# Altium PCB Archimajor.PcbDoc (part 2 of 13)
Units mil, origin at the board's own origin, x right, y up, seen from the top; angles counter-clockwise.
Board outline 7480.32 x 5511.81 mil, 6 copper layers (Top Layer, Top GND, Power Plane, Mid1, Bot GND, Bottom Layer), stack 69.913 mil thick; 1038 components, 682 nets, 3229 pads, 2870 vias.
Unrouted connection lines stored in the file: 97.
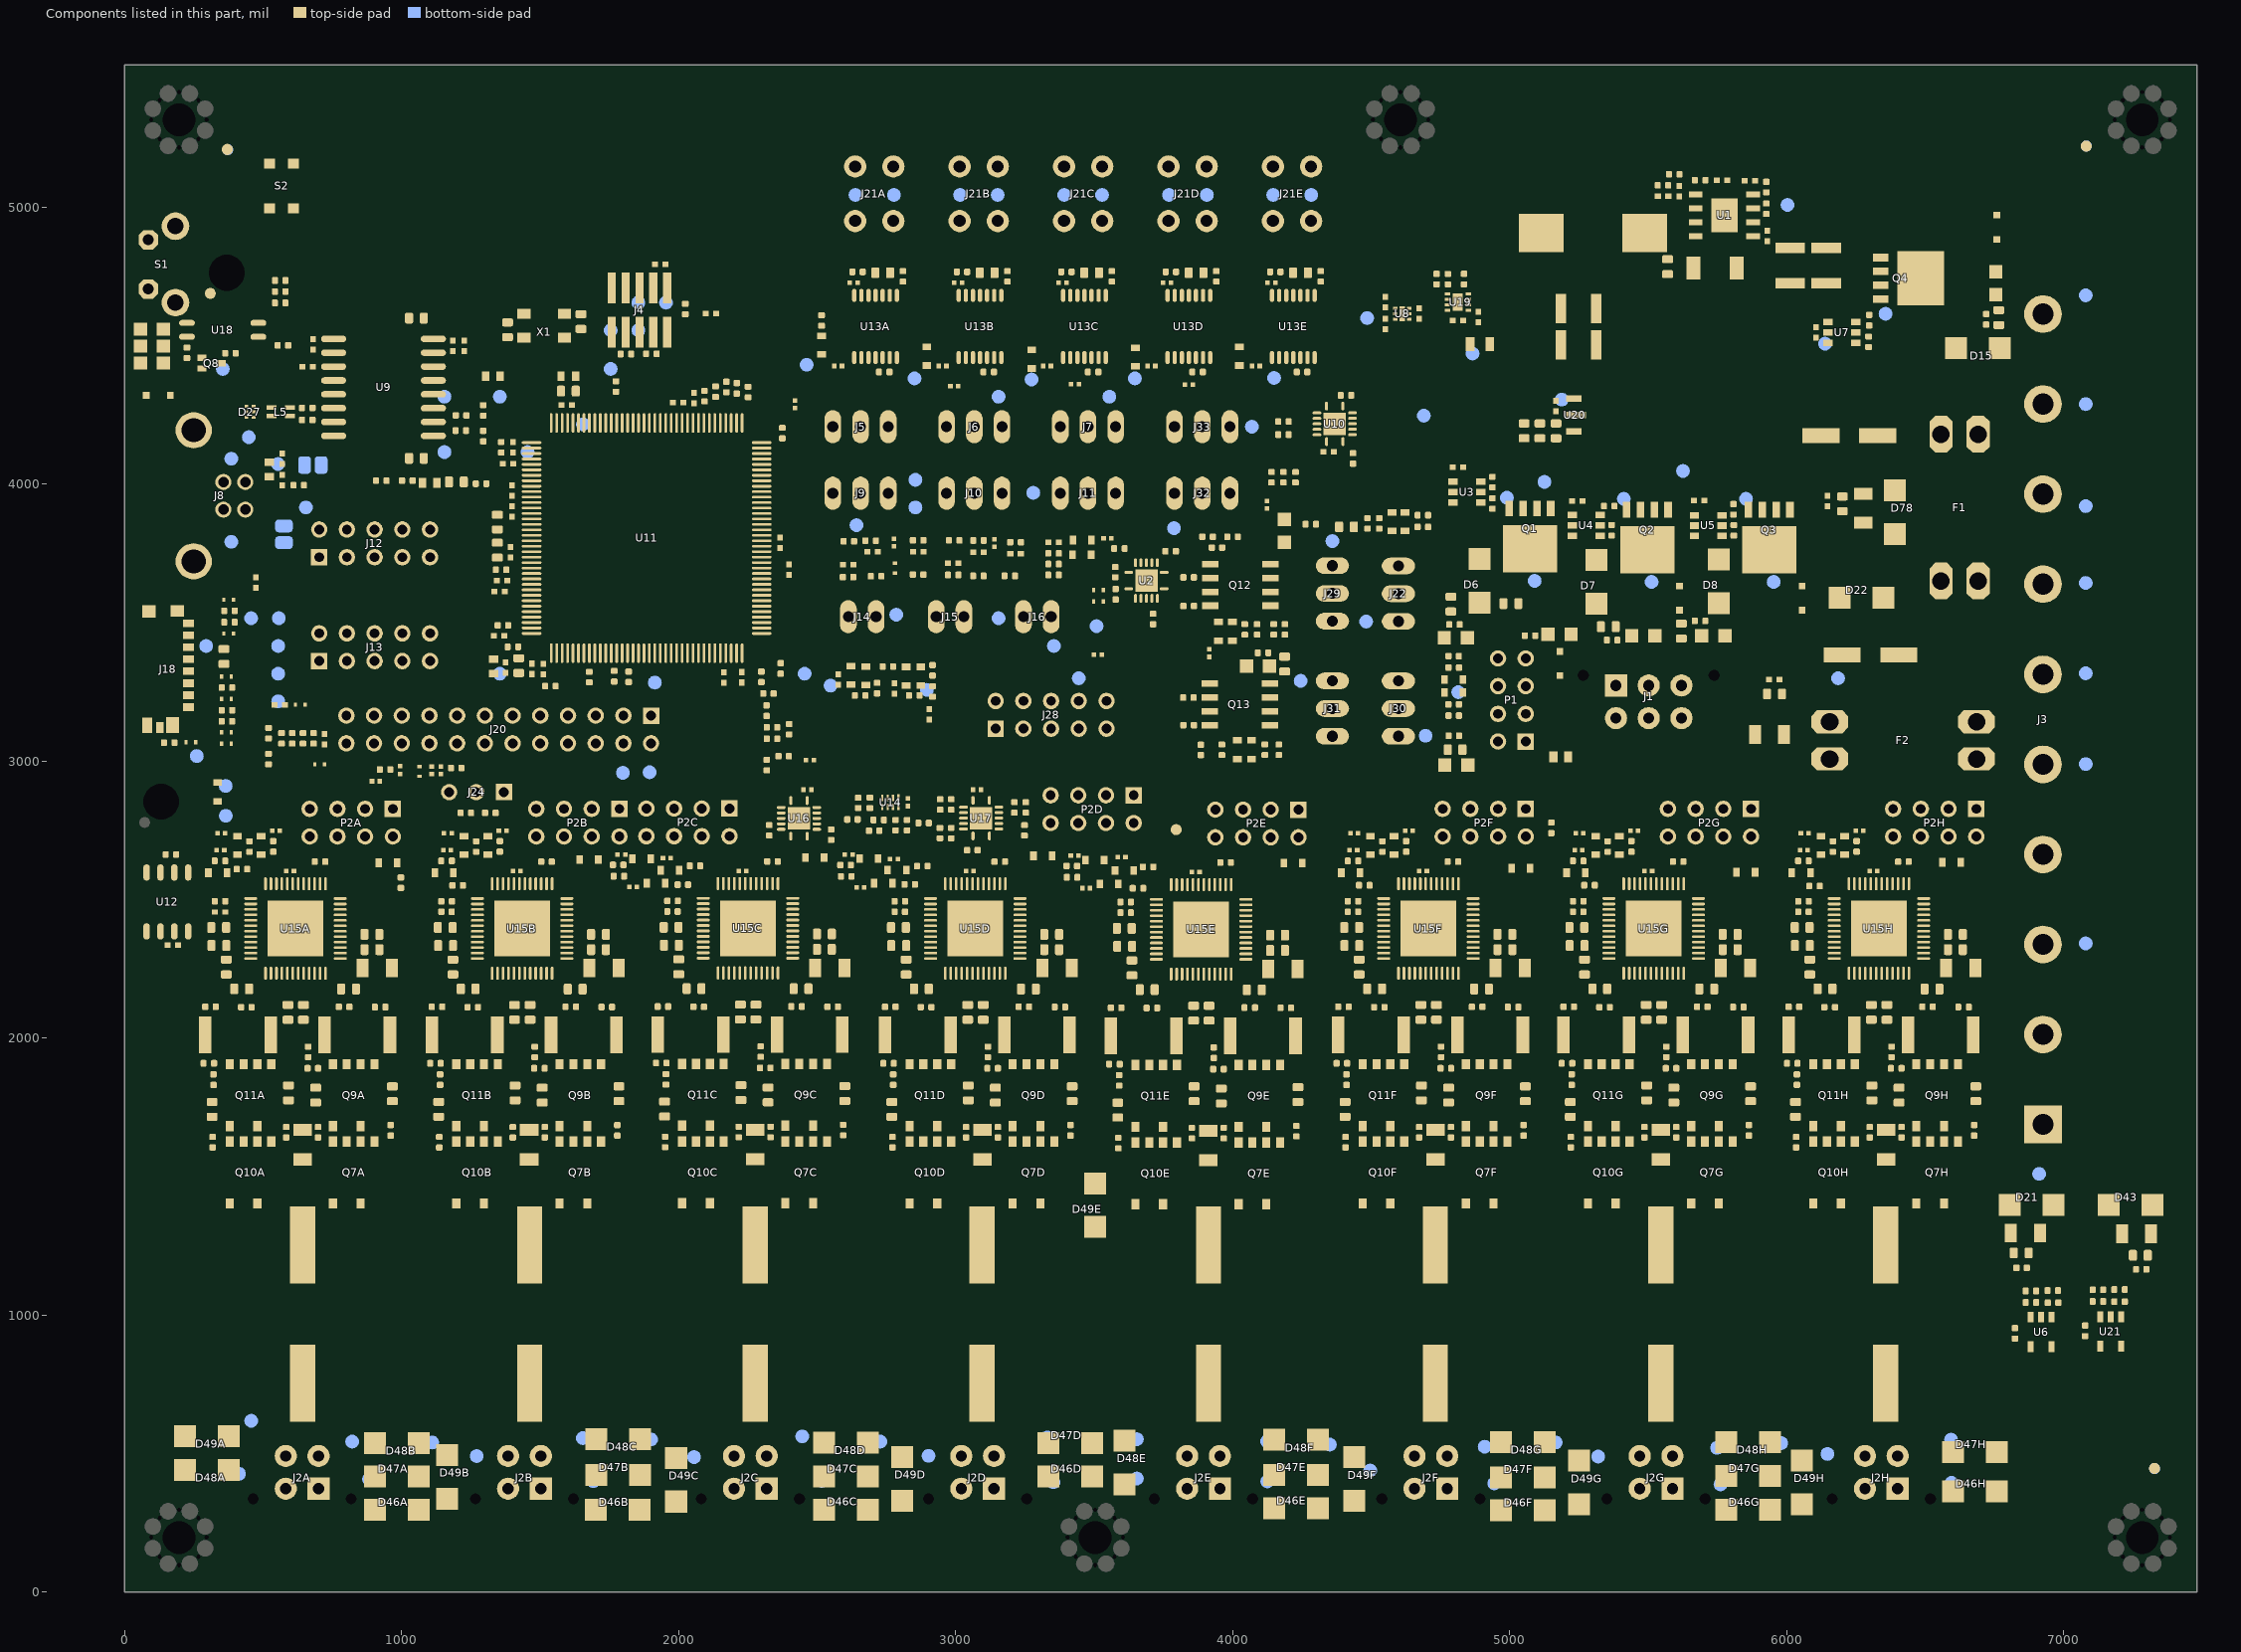
[diagram p6: the components of this part, seen from the top]

## Components (designator, comment, footprint, x,y, rotation, side; value= is the part's Value field where it differs from the comment) (continued)
Q11D "NVMFD5C478NT1G" "SO8FL-Dual (DFN8 5x6, 1.26P Dual Flag)" 2908.76,1793.72 r180 top (schematic designator Q11)
Q11E "NVMFD5C478NT1G" "SO8FL-Dual (DFN8 5x6, 1.26P Dual Flag)" 3724.03,1790.74 r180 top (schematic designator Q11)
Q11F "NVMFD5C478NT1G" "SO8FL-Dual (DFN8 5x6, 1.26P Dual Flag)" 4544.58,1793.72 r180 top (schematic designator Q11)
Q11G "NVMFD5C478NT1G" "SO8FL-Dual (DFN8 5x6, 1.26P Dual Flag)" 5357.58,1793.72 r180 top (schematic designator Q11)
Q11H "NVMFD5C478NT1G" "SO8FL-Dual (DFN8 5x6, 1.26P Dual Flag)" 6170.58,1793.72 r180 top (schematic designator Q11)
Q12 "NCV8402AD" NCV8402AD-SOIC8 4028.06,3635.29 r270 top value=NCV8402
Q13 "NCV8402AD" NCV8402AD-SOIC8 4025.59,3204.13 r270 top value=NCV8402
R1 "10.2k" R0402 5687.65,5096.38 r180 top
R2 "1.4K" R0402 5926.35,5071.71 r270 top
R3 "47R" R0402 2690.66,2848.79 r90 top
R4 "47R" R0402 2722.36,2786.79 r0 top
R5 "1.96k" R0402 5594.14,5118.03 r0 top
R6 "10K" R0402 5073.54,3452.14 r180 top
R7 "10K" R0402 5369.8,3436.39 r180 top
R8 "10K" R0402 5687.19,3505.29 r180 top
R9 "10K" R0402 6720.19,4594.42 r270 top
R10 "37.4k" R0402 5553.35,5077.71 r0 top
R11 "10K" R0402 5926.35,4993.71 r270 top
R12 "10K" R0402 4800.9,3492.5 r0 top
R13 "47R" R0402 2783.18,2768.09 r90 top
R14 "10K" R0402 4798.73,3090.92 r180 top
R15 "10K" R0402 4109.96,3390.13 r0 top
R16A "4.7k" R0402 344.68,2639.19 r180 top (schematic designator R16)
R16B "4.7k" R0402 1162.6,2639.19 r0 top (schematic designator R16)
R16C "4.7k" R0402 1784.76,2583.96 r180 top (schematic designator R16)
R16D "4.7k" R0402 2605.31,2583 r180 top (schematic designator R16)
R16E "4.7k" R0402 3420.59,2580.03 r180 top (schematic designator R16)
R16F "4.7k" R0402 4434.25,2639.19 r0 top (schematic designator R16)
R16G "4.7k" R0402 5247.25,2639.19 r0 top (schematic designator R16)
R16H "4.7k" R0402 6060.25,2639.19 r0 top (schematic designator R16)
R17A "R0402TBD" R0402 536.91,2691.53 r270 top (schematic designator R17)
R17B "R0402TBD" R0402 1354.82,2691.53 r270 top (schematic designator R17)
R17C "R0402TBD" R0402 1782.2,2624.78 r0 top (schematic designator R17)
R17D "R0402TBD" R0402 2602.76,2623.82 r0 top (schematic designator R17)
R17E "R0402TBD" R0402 3419.39,2620.84 r0 top (schematic designator R17)
R17F "R0402TBD" R0402 4626.47,2691.53 r270 top (schematic designator R17)
R17G "R0402TBD" R0402 5439.47,2691.53 r270 top (schematic designator R17)
R17H "R0402TBD" R0402 6252.47,2691.53 r270 top (schematic designator R17)
R18A "4.7k" R0402 451.28,2690.96 r90 top (schematic designator R18)
R18B "4.7k" R0402 1269.19,2690.96 r90 top (schematic designator R18)
R18C "4.7k" R0402 2059.37,2621.43 r180 top (schematic designator R18)
R18D "4.7k" R0402 2879.92,2620.47 r180 top (schematic designator R18)
R18E "4.7k" R0402 3695.19,2617.5 r180 top (schematic designator R18)
R18F "4.7k" R0402 4540.84,2690.96 r90 top (schematic designator R18)
R18G "4.7k" R0402 5353.84,2690.96 r90 top (schematic designator R18)
R18H "4.7k" R0402 6166.84,2690.96 r90 top (schematic designator R18)
R19 "1k" R0402 2614.88,3792.69 r0 top
R20 "100R" R0402 5368.1,3832.43 r90 top
R21 "100R" R0402 5809.11,3832.5 r90 top
R22 "100K" R0402 2611.75,3663.55 r0 top
R23 "1k" R0402 2713.3,3666.71 r0 top
R24 "10r" R0402 5808.11,3908.5 r270 top value=10R
R25 "100R" R0402 6295.48,4512.97 r90 top
R26 "24K" R0402 6881.7,1086.61 r0 top
R27 "10r" R0402 6297.48,4590.97 r270 top value=10R
R28 "1M" R0402 6823.98,933.73 r90 top
R29 "10K" R0402 4409.05,4319.79 r0 top
R30 "10K" R0402 4183.49,4225.23 r0 top
R31 "100K" R0402 2024.52,4631.44 r90 top
R32 "47R" R0402 2824.52,2768.09 r90 top
R33 "1K" R0402 562.33,4734.43 r0 top value=1k
R34 "1K" R0402 562.16,4694.53 r180 top value=1k
R35 "100K" R0402 2693.48,3795.12 r0 top
R36 "1K" R0402 562.14,4653.47 r180 top value=1k
R37 "100K" R0402 1810,4468.9 r0 top
R38 "100K" R0402 1902,4469.9 r180 top
R39 "10K" R0402 4183.49,4177.98 r0 top
R40 "1k" R0402 2094,4317.01 r270 top
R41 "1k" R0402 1774.09,4351.43 r90 top
R42 "24r" R0402 1295,4265.53 r270 top value=24R
R43 "24r" R0402 660,4274.53 r180 top value=24R
R44 "2k37" R0402 2655.52,3236.23 r0 top
R45 "24r" R0402 1215,4247.53 r180 top value=24R
R46 "24r" R0402 660,4230.53 r180 top value=24R
R47 "24r" R0402 1214,4192.53 r180 top value=24R
R48 "24r" R0402 1295,4172.53 r90 top value=24R
R49 "6.8K" R0402 1360,4132.53 r270 top
R50 "2k37" R0402 2716.52,3262.65 r90 top
R51 "100K" R0402 1287,4000.53 r0 top
R52 "10R" R0402 4937.69,4006.89 r270 top
R53 "100R" R0402 4937.69,3929.13 r90 top
R54 "10K" R0402 4434.76,4091.9 r90 top
R55 "10R" R0402 5359.56,3919.83 r0 top
R56 "10K" R0402 6881.66,1045.19 r180 top
R57 "130k" R0402 6960.48,1088.17 r180 top
R58 "100K" R0402 6961.38,1044.2 r0 top
R59 "47R" R0402 2984.25,2739.37 r270 top
R60 "R0402TBD" R0402 2337.32,3121.43 r180 top
R61 "R0402TBD" R0402TBD 629.28,3995.28 r180 top value=1M
R62 "4.7K" R0402 2755.62,3340.92 r0 top value=4.7k
R63 "100K" R0402 2864.89,3796.41 r0 top
R64 "10K" R0402 161.69,3066.19 r180 top
R65 "10K" R0402 370.01,3265.01 r180 top
R66 "10K" R0402 2337.32,3080.09 r180 top
R67 "10K" R0402 370,3183.01 r0 top
R68 "10K" R0402 370,3143.01 r0 top
R69 "10K" R0402 379,3542.01 r180 top
R70 "10K" R0402 379,3501.01 r180 top
R71 "1k" R0402 1402.05,3411.66 r180 top
R72 "1k" R0402 2864.76,3672.67 r0 top
R73 "100K" R0402 2994.95,3796.12 r180 top
R74 "1k" R0402 2991.42,3671.5 r180 top
R75 "100K" R0402 3082.74,3795.75 r0 top
R76 "1k" R0402 3082.36,3667.98 r0 top
R77 "24r" R0402 2368.81,3334.03 r90 top value=24R
R78 "100K" R0402 3216.52,3789.69 r0 top
R79 "1k" R0402 3195.42,3668.01 r0 top
R80 "4.7K" R0402 2916.61,3327.02 r90 top value=4.7k
R81 "2k37" R0402 2850.67,3236.47 r0 top
R82 "24r" R0402 2298.93,3303.52 r90 top value=24R
R83 "24r" R0402 2317.63,3181.47 r90 top value=24R
R84 "47R" R0402 2984.25,2842.91 r270 top
R85 "10K" R0402 167.58,2662.21 r0 top
R86A "47R" R0402 705.71,2636.22 r180 top (schematic designator R86)
R86B "47R" R0402 1523.62,2636.22 r180 top (schematic designator R86)
R86C "47R" R0402 2338.89,2637.18 r180 top (schematic designator R86)
R86D "47R" R0402 3159.45,2636.22 r180 top (schematic designator R86)
R86E "47R" R0402 3974.72,2633.24 r180 top (schematic designator R86)
R86F "47R" R0402 4795.28,2636.22 r180 top (schematic designator R86)
R86G "47R" R0402 5608.28,2636.22 r180 top (schematic designator R86)
R86H "47R" R0402 6421.28,2636.22 r180 top (schematic designator R86)
R87 "2k37" R0402 2916.83,3250.39 r90 top
R88A "47R" R0402 2742.41,4403.91 r0 top (schematic designator R88)
R88B "47R" R0402 3119.41,4403.91 r0 top (schematic designator R88)
R88C "47R" R0402 3496.41,4403.91 r0 top (schematic designator R88)
R88D "47R" R0402 3873.41,4403.91 r0 top (schematic designator R88)
R88E "47R" R0402 4250.4,4403.91 r0 top (schematic designator R88)
R89 "47R" R0402 3060.48,2677.81 r180 top
R90 "4.7K" R0402 3353.42,3710.87 r180 top value=4.7k
R91 "2k37" R0402 3353.62,3749.26 r0 top
R92 "2k37" R0402 3353.62,3671.5 r180 top
R93 "47R" R0402 3212.32,2832.06 r270 top
R94 "47R" R0402 2318.62,2985.41 r270 top
R95 "10K" R0402 2516.33,4589.94 r270 top
R96 "10K" R0402 4282.2,3854.7 r0 top
R97 "10K" R0402 5150.31,2758.24 r270 top
R98 "100R" R0402 3841.25,3662.77 r0 top
R99 "100R" R0402 3841.25,3559.42 r0 top
R100 "10K" R0402 997.75,2560.41 r90 top
R101 "10K" R0402 3577.75,3601.62 r90 top
R102 "1k" R0402 4835.47,4739.51 r90 top
R103 "0R" R0603 5184.76,3015.13 r180 top
R107A "2.2R" R0402 345,2493.53 r180 top (schematic designator R107)
R107B "2.2R" R0402 1162.91,2493.53 r180 top (schematic designator R107)
R107C "2.2R" R0402 1978.18,2494.49 r180 top (schematic designator R107)
R107D "2.2R" R0402 2798.74,2493.53 r180 top (schematic designator R107)
R107E "2.2R" R0402 3614.01,2490.55 r180 top (schematic designator R107)
R107F "2.2R" R0402 4434.57,2493.53 r180 top (schematic designator R107)
R107G "2.2R" R0402 5247.57,2493.53 r180 top (schematic designator R107)
R107H "2.2R" R0402 6060.57,2493.53 r180 top (schematic designator R107)
R108A "1k" R0402 424.13,2609.29 r180 top (schematic designator R108)
R108B "1k" R0402 1202.68,2550.24 r180 top (schematic designator R108)
R108C "1k" R0402 2015.67,2553.19 r180 top (schematic designator R108)
R108D "1k" R0402 2834.57,2554.17 r180 top (schematic designator R108)
R108E "1k" R0402 3658.39,2540.39 r180 top (schematic designator R108)
R108F "1k" R0402 4475.31,2551.22 r180 top (schematic designator R108)
R108G "1k" R0402 5288.31,2551.22 r180 top (schematic designator R108)
R108H "1k" R0402 6100.31,2548.27 r180 top (schematic designator R108)
R109 "100R" R0402 2173,4350.01 r90 top
R110A "10R" R0402 961,1666.53 r270 top (schematic designator R110)
R110B "10R" R0402 1778.91,1666.53 r270 top (schematic designator R110)
R110C "10R" R0402 2594.18,1667.49 r270 top (schematic designator R110)
R110D "10R" R0402 3414.74,1666.53 r270 top (schematic designator R110)
R110E "10R" R0402 4230.01,1663.55 r270 top (schematic designator R110)
R110F "10R" R0402 5050.57,1666.53 r270 top (schematic designator R110)
R110G "10R" R0402 5863.57,1666.53 r270 top (schematic designator R110)
R110H "10R" R0402 6676.57,1666.53 r270 top (schematic designator R110)
R111A "10R" R0402 699,1659.53 r90 top (schematic designator R111)
R111B "10R" R0402 1516.91,1659.53 r90 top (schematic designator R111)
R111C "10R" R0402 2332.18,1660.49 r90 top (schematic designator R111)
R111D "10R" R0402 3152.74,1659.53 r90 top (schematic designator R111)
R111E "10R" R0402 3968.01,1656.55 r90 top (schematic designator R111)
R111F "10R" R0402 4788.57,1659.53 r90 top (schematic designator R111)
R111G "10R" R0402 5601.57,1659.53 r90 top (schematic designator R111)
R111H "10R" R0402 6414.57,1659.53 r90 top (schematic designator R111)
R112A "10R" R0402 680,1890.53 r0 top (schematic designator R112)
R112B "10R" R0402 1497.91,1890.53 r0 top (schematic designator R112)
R112C "10R" R0402 2313.18,1891.49 r0 top (schematic designator R112)
R112D "10R" R0402 3133.74,1890.53 r0 top (schematic designator R112)
R112E "10R" R0402 3949.01,1887.55 r0 top (schematic designator R112)
R112F "10R" R0402 4769.57,1890.53 r0 top (schematic designator R112)
R112G "10R" R0402 5582.57,1890.53 r0 top (schematic designator R112)
R112H "10R" R0402 6395.57,1890.53 r0 top (schematic designator R112)
R113A "10R" R0402 663,1949.53 r90 top (schematic designator R113)
R113B "10R" R0402 1480.91,1949.53 r90 top (schematic designator R113)
R113C "10R" R0402 2296.18,1950.49 r90 top (schematic designator R113)
R113D "10R" R0402 3116.74,1949.53 r90 top (schematic designator R113)
R113E "10R" R0402 3932.01,1946.55 r90 top (schematic designator R113)
R113F "10R" R0402 4752.57,1949.53 r90 top (schematic designator R113)
R113G "10R" R0402 5565.57,1949.53 r90 top (schematic designator R113)
R113H "10R" R0402 6378.57,1949.53 r90 top (schematic designator R113)
R114 "100R" R0402 2210,4345.01 r270 top
R115 "15K" R0402 4736.47,4739.51 r90 top
R116A "47R" R0402 793,2112.53 r180 top (schematic designator R116)
R116B "47R" R0402 1610.91,2112.53 r180 top (schematic designator R116)
R116C "47R" R0402 2426.18,2113.49 r180 top (schematic designator R116)
R116D "47R" R0402 3246.74,2112.53 r180 top (schematic designator R116)
R116E "47R" R0402 4062.01,2109.55 r180 top (schematic designator R116)
R116F "47R" R0402 4882.57,2112.53 r180 top (schematic designator R116)
R116G "47R" R0402 5695.57,2112.53 r180 top (schematic designator R116)
R116H "47R" R0402 6508.57,2112.53 r180 top (schematic designator R116)
R119 "10K" R0402 4776.95,4739.51 r270 top
R120 "100R" R0402 2134,4333.01 r90 top
R133 "100R" R0402 2251,4332.01 r270 top
R134 "100R" R0402 1021,4011.53 r0 top
R135 "100R" R0402 1678.03,3302.61 r90 top
R136 "100R" R0402 927,4011.53 r180 top
R137 "100R" R0402 1359,3690.01 r0 top
R138 "100R" R0402 567,3081.53 r90 top
R139 "100R" R0402 683,3081.53 r270 top
R140 "100R" R0402 1366.02,3489.51 r180 top
R141 "100R" R0402 644.33,3081.53 r270 top
R142 "100R" R0402 1767.79,3305.76 r270 top
R143 "100R" R0402 605.67,3081.53 r270 top
R144 "100R" R0402 2374.72,4183.44 r90 top
R145 "100R" R0402 520.16,3100.44 r270 top
R148 "0.01R" R0805 4892.53,4504.57 r180 top
R149 "100R" R0402 520.16,3006.94 r270 top
R150 "10K" R0402 382.56,4471.67 r0 top
R151 "10K" R0402 225.67,4473.31 r270 top
R152 "1k" R0402 572.14,4500.17 r180 top
R153 "100R" R0402 940.83,2968.95 r180 top
R154 "24K" R0402 7123.5,1090.81 r0 top
R155 "10K" R0402 7123.5,1048.81 r180 top
R156 "1M" R0402 7077.5,942.81 r90 top
R157 "130k" R0402 7201.5,1091.81 r180 top
R158 "100K" R0402 7201.5,1047.81 r0 top
R159 "100R" R0402 1819.76,3303.59 r90 top
R160 "100R" R0402 1197.71,2974.43 r180 top
R161 "100R" R0402 1537.28,3270.13 r0 top
R162A "0.05R" R2512 840,2010.84 r180 top (schematic designator R162)
R162B "0.05R" R2512 1657.91,2010.84 r180 top (schematic designator R162)
R162C "0.05R" R2512 2473.18,2011.8 r180 top (schematic designator R162)
R162D "0.05R" R2512 3293.74,2010.84 r180 top (schematic designator R162)
R162E "0.05R" R2512 4109.01,2007.87 r180 top (schematic designator R162)
R162F "0.05R" R2512 4929.57,2010.84 r180 top (schematic designator R162)
R162G "0.05R" R2512 5742.57,2010.84 r180 top (schematic designator R162)
R162H "0.05R" R2512 6555.57,2010.84 r180 top (schematic designator R162)
R163A "47R" R0402 922.9,2111.53 r0 top (schematic designator R163)
R163B "47R" R0402 1740.81,2111.53 r0 top (schematic designator R163)
R163C "47R" R0402 2556.08,2112.49 r0 top (schematic designator R163)
R163D "47R" R0402 3376.64,2111.53 r0 top (schematic designator R163)
R163E "47R" R0402 4191.91,2108.55 r0 top (schematic designator R163)
R163F "47R" R0402 5012.46,2111.53 r0 top (schematic designator R163)
R163G "47R" R0402 5825.46,2111.53 r0 top (schematic designator R163)
R163H "47R" R0402 6638.46,2111.53 r0 top (schematic designator R163)
R164A "10R" R0402 584,1659.53 r270 top (schematic designator R164)
R164B "10R" R0402 1401.91,1659.53 r270 top (schematic designator R164)
R164C "10R" R0402 2217.18,1660.49 r270 top (schematic designator R164)
R164D "10R" R0402 3037.74,1659.53 r270 top (schematic designator R164)
R164E "10R" R0402 3853.01,1656.55 r270 top (schematic designator R164)
R164F "10R" R0402 4673.57,1659.53 r270 top (schematic designator R164)
R164G "10R" R0402 5486.57,1659.53 r270 top (schematic designator R164)
R164H "10R" R0402 6299.57,1659.53 r270 top (schematic designator R164)
R165A "10R" R0402 318.33,1623.53 r90 top (schematic designator R165)
R165B "10R" R0402 1136.24,1623.53 r90 top (schematic designator R165)
R165C "10R" R0402 1951.51,1624.49 r90 top (schematic designator R165)
R165D "10R" R0402 2772.07,1623.53 r90 top (schematic designator R165)
R165E "10R" R0402 3587.34,1620.55 r90 top (schematic designator R165)
R165F "10R" R0402 4407.89,1623.53 r90 top (schematic designator R165)
R165G "10R" R0402 5220.89,1623.53 r90 top (schematic designator R165)
R165H "10R" R0402 6033.89,1623.53 r90 top (schematic designator R165)
R166A "10R" R0402 321.35,1849.43 r90 top (schematic designator R166)
R166B "10R" R0402 1139.27,1849.43 r90 top (schematic designator R166)
R166C "10R" R0402 1954.54,1850.38 r90 top (schematic designator R166)
R166D "10R" R0402 2775.09,1849.43 r90 top (schematic designator R166)
R166E "10R" R0402 3590.37,1846.45 r90 top (schematic designator R166)
R166F "10R" R0402 4410.92,1849.43 r90 top (schematic designator R166)
R166G "10R" R0402 5223.92,1849.43 r90 top (schematic designator R166)
R166H "10R" R0402 6036.92,1849.43 r90 top (schematic designator R166)
R167A "10R" R0402 304.62,1908.48 r180 top (schematic designator R167)
R167B "10R" R0402 1122.54,1908.48 r180 top (schematic designator R167)
R167C "10R" R0402 1937.81,1909.44 r180 top (schematic designator R167)
R167D "10R" R0402 2758.36,1908.48 r180 top (schematic designator R167)
R167E "10R" R0402 3573.63,1905.5 r180 top (schematic designator R167)
R167F "10R" R0402 4394.19,1908.48 r180 top (schematic designator R167)
R167G "10R" R0402 5207.19,1908.48 r180 top (schematic designator R167)
R167H "10R" R0402 6020.19,1908.48 r180 top (schematic designator R167)
R168A "47R" R0402 439.66,2111.24 r0 top (schematic designator R168)
R168B "47R" R0402 1257.57,2111.24 r0 top (schematic designator R168)
R168C "47R" R0402 2072.85,2112.2 r0 top (schematic designator R168)
R168D "47R" R0402 2893.4,2111.24 r0 top (schematic designator R168)
R168E "47R" R0402 3708.67,2108.26 r0 top (schematic designator R168)
R168F "47R" R0402 4529.23,2111.24 r0 top (schematic designator R168)
R168G "47R" R0402 5342.23,2111.24 r0 top (schematic designator R168)
R168H "47R" R0402 6155.23,2111.24 r0 top (schematic designator R168)
R169A "0.05R" R2512 409.94,2010.84 r0 top (schematic designator R169)
R169B "0.05R" R2512 1227.85,2010.84 r0 top (schematic designator R169)
R169C "0.05R" R2512 2043.12,2011.8 r0 top (schematic designator R169)
R169D "0.05R" R2512 2863.68,2010.84 r0 top (schematic designator R169)
R169E "0.05R" R2512 3678.95,2007.87 r0 top (schematic designator R169)
R169F "0.05R" R2512 4499.5,2010.84 r0 top (schematic designator R169)
R169G "0.05R" R2512 5312.5,2010.84 r0 top (schematic designator R169)
R169H "0.05R" R2512 6125.5,2010.84 r0 top (schematic designator R169)
R170A "47R" R0402 310.53,2112.22 r180 top (schematic designator R170)
R170B "47R" R0402 1128.44,2112.22 r180 top (schematic designator R170)
R170C "47R" R0402 1943.71,2113.18 r180 top (schematic designator R170)
R170D "47R" R0402 2764.27,2112.22 r180 top (schematic designator R170)
R170E "47R" R0402 3579.54,2109.24 r180 top (schematic designator R170)
R170F "47R" R0402 4400.09,2112.22 r180 top (schematic designator R170)
R170G "47R" R0402 5213.09,2112.22 r180 top (schematic designator R170)
R170H "47R" R0402 6026.09,2112.22 r180 top (schematic designator R170)
R171 "10K" R0402 3712.72,3512.18 r270 top
R172 "1.8K" R0402 4188.7,3474.78 r270 top
R173 "1.8K" R0402 4686.73,3887.18 r180 top
R174 "1K" R0402 4044.01,3474.64 r270 top
R175 "1K" R0402 4148.34,3474.78 r90 top
R176 "1K" R0402 4529.25,3857.65 r270 top
R177 "1K" R0402 4686.73,3844.86 r0 top
R180 "100R" R0402 3840.27,3228.72 r0 top
R181 "100R" R0402 3841.25,3129.13 r0 top
R182 "10K" R0402 3776.29,3757.26 r0 top
R183 "10K" R0402 3591.46,3766.93 r180 top
R184 "1.8K" R0402 4166.57,3040.26 r270 top
R185 "1.8K" R0402 4798.1,3204.11 r180 top
R186 "1K" R0402 3961.44,3040.26 r270 top
R187 "1K" R0402 4116.27,3040.26 r90 top
R188 "1K" R0402 4798.09,3336.98 r0 top
R189 "1K" R0402 4798.1,3163.76 r180 top
R190 "100K" R0402 3999.57,3809.3 r0 top
R191 "1k" R0402 3909.67,3809.29 r180 top
R192 "100K" R0402 4183.77,4023.99 r270 top
R193 "1k" R0402 4140.47,4023.99 r90 top
R197 "1k" R0402 1320.87,2812.6 r180 top
R198 "1k" R0402 1232.27,2812.4 r0 top
RV1 "AVRM0603C6R8NT101N" "C0201 Large Pads" 907.48,2926.57 r180 top value=6.8V
RV2 "AVRM0603C6R8NT101N" "C0201 Large Pads" 994.96,2966.98 r270 top value=6.8V
RV3 "AVRM0603C6R8NT101N" "C0201 Large Pads" 1109.13,2965.99 r270 top value=6.8V
RV4 "AVRM0603C6R8NT101N" "C0201 Large Pads" 1141.61,2965.99 r270 top value=6.8V
RV5A "AVRM0603C6R8NT101N" "C0201 Large Pads" 349.41,2738.58 r180 top value=6.8V (schematic designator RV5)
RV5B "AVRM0603C6R8NT101N" "C0201 Large Pads" 1167.32,2738.58 r180 top value=6.8V (schematic designator RV5)
RV5C "AVRM0603C6R8NT101N" "C0201 Large Pads" 1957.6,2648.66 r0 top value=6.8V (schematic designator RV5)
RV5D "AVRM0603C6R8NT101N" "C0201 Large Pads" 2777.56,2645.08 r0 top value=6.8V (schematic designator RV5)
RV5E "AVRM0603C6R8NT101N" "C0201 Large Pads" 3599.33,2652.6 r0 top value=6.8V (schematic designator RV5)
RV5F "AVRM0603C6R8NT101N" "C0201 Large Pads" 4438.98,2738.58 r180 top value=6.8V (schematic designator RV5)
RV5G "AVRM0603C6R8NT101N" "C0201 Large Pads" 5251.98,2738.58 r180 top value=6.8V (schematic designator RV5)
RV5H "AVRM0603C6R8NT101N" "C0201 Large Pads" 6064.98,2738.58 r180 top value=6.8V (schematic designator RV5)